# Altium PCB 4in1_ESC_8layer.PcbDoc (part 1 of 2) (continued)
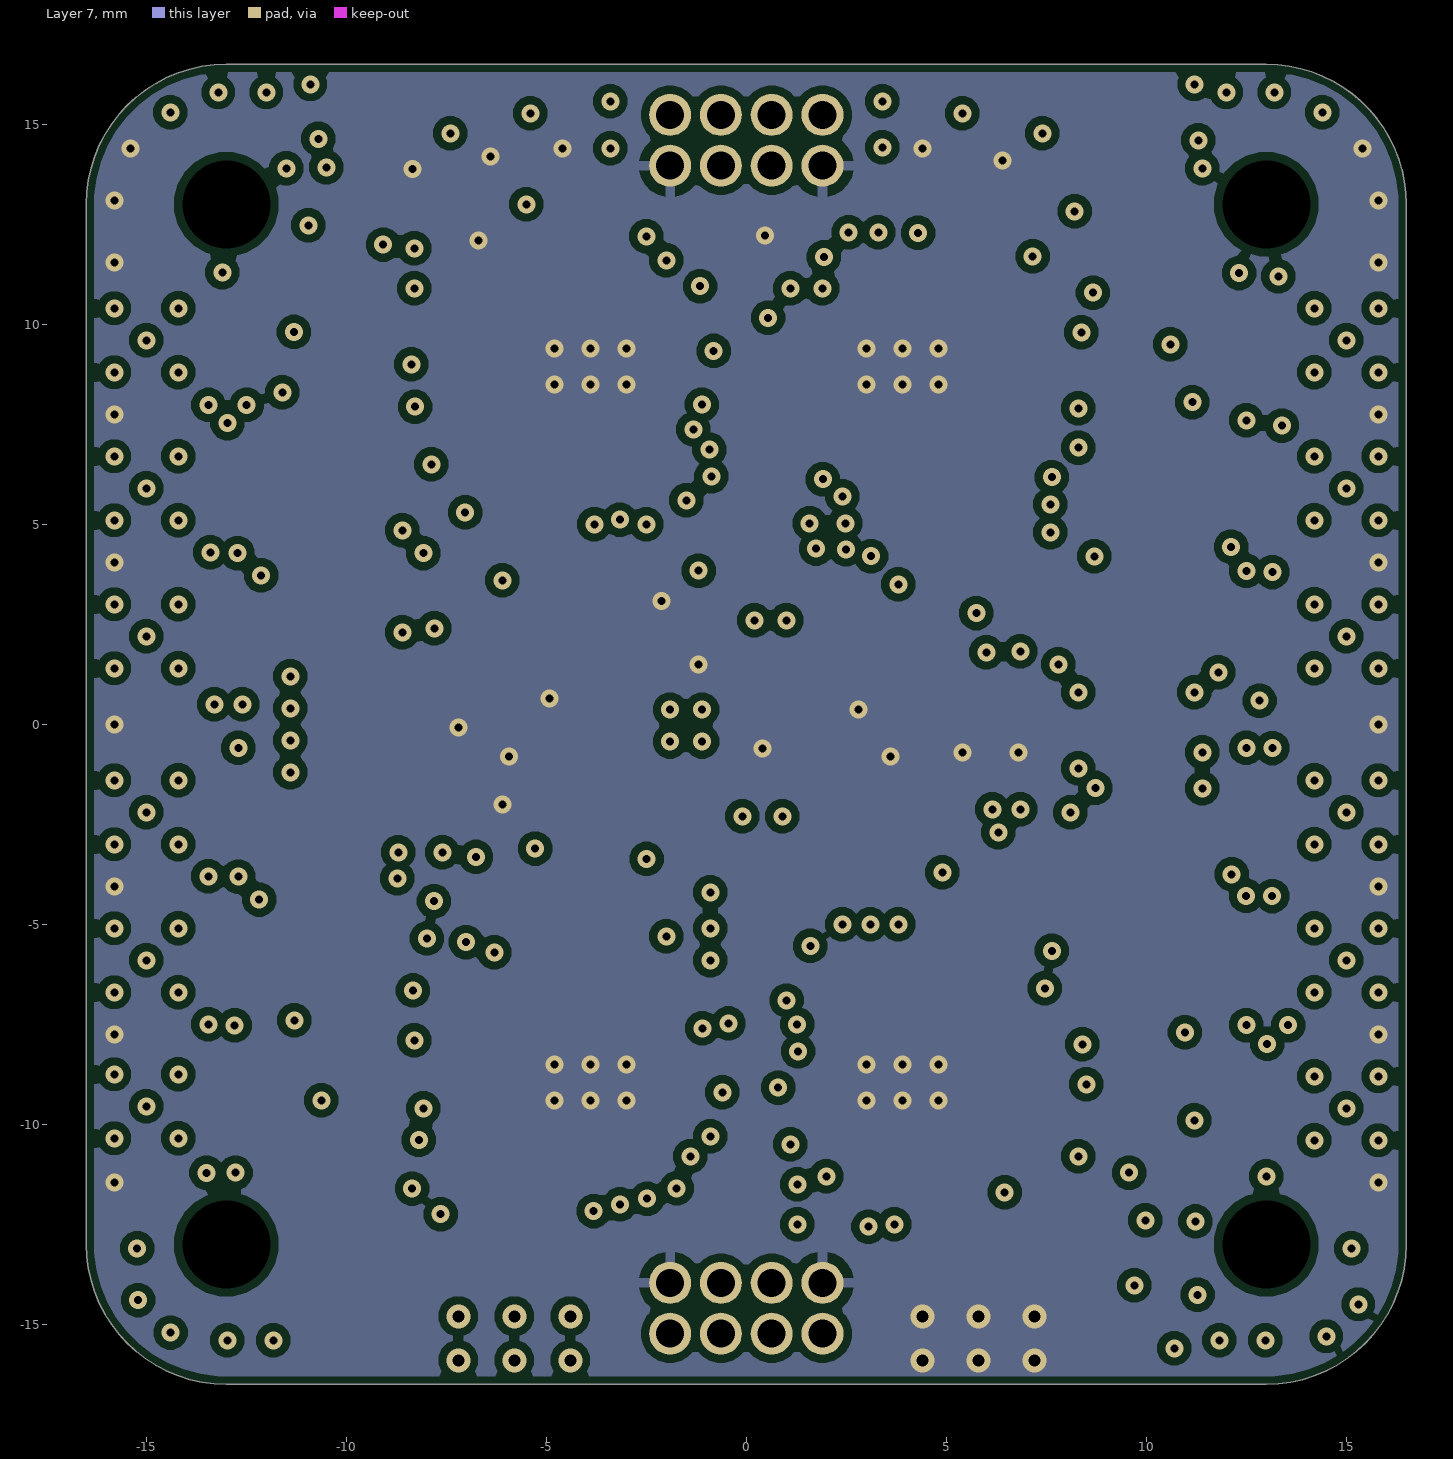
[diagram p7: Layer 7]
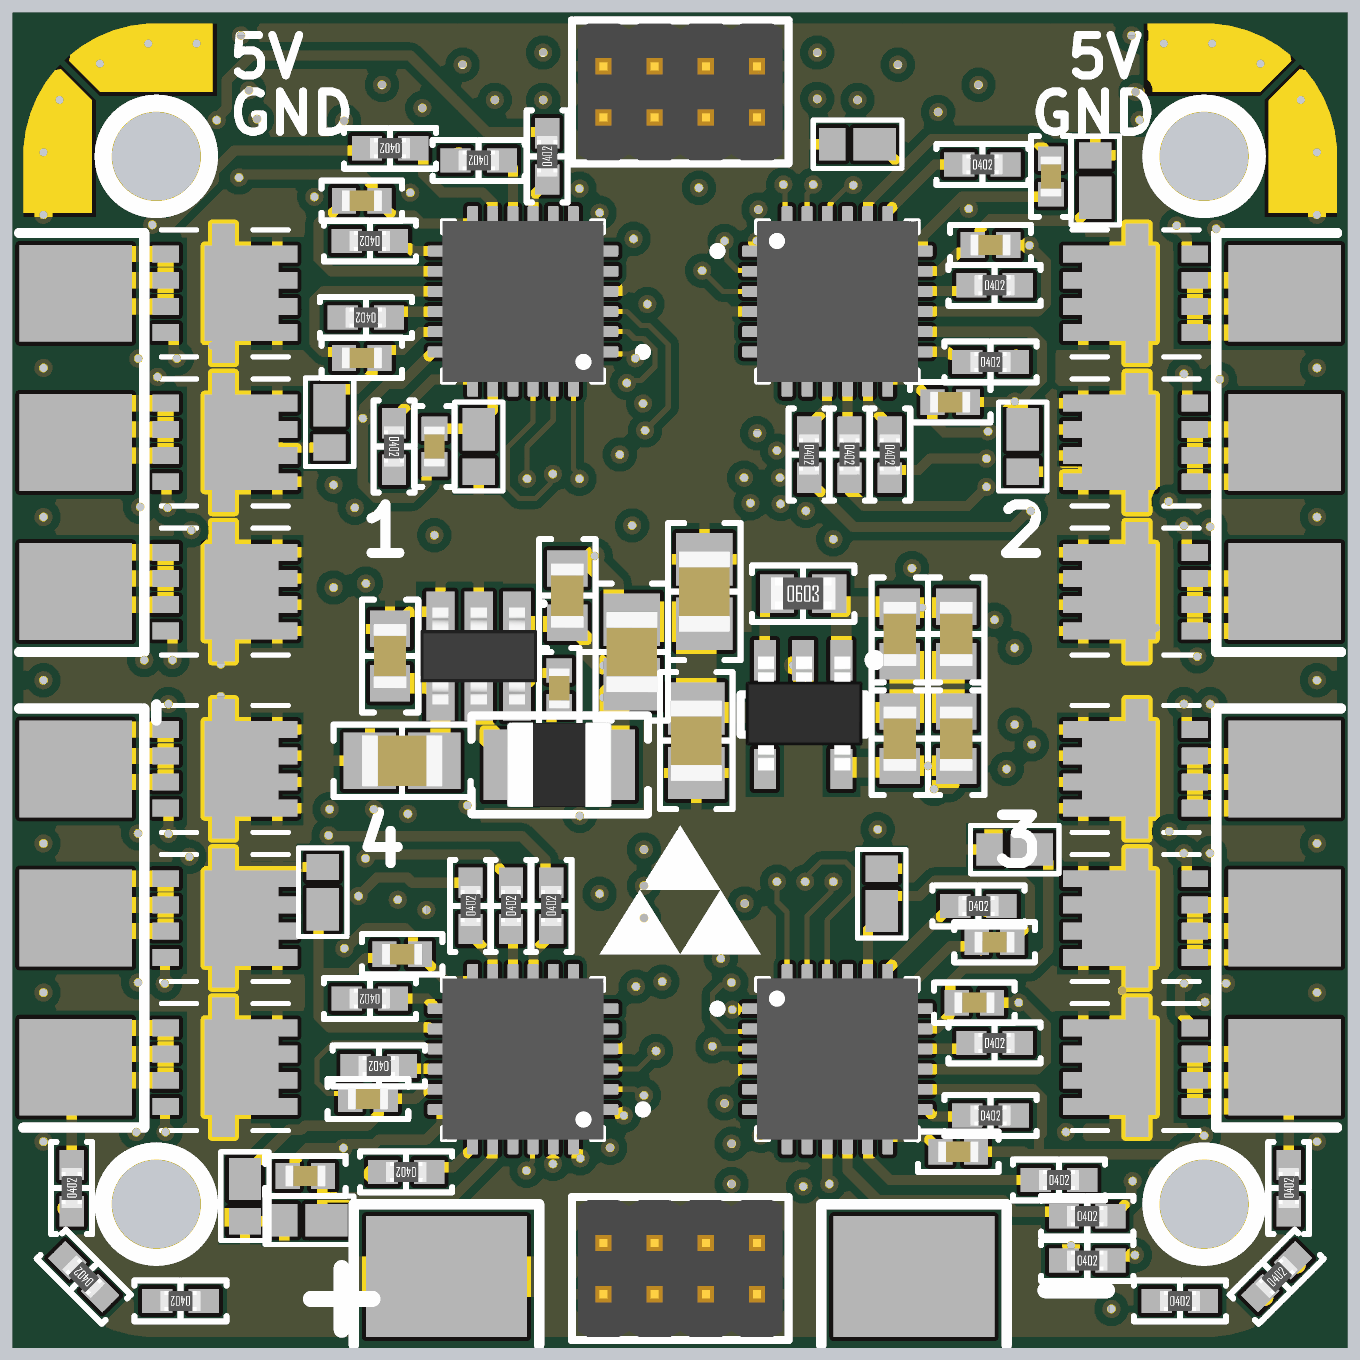
[diagram p9: 3D render of the assembled board from above, using the file's embedded part models]
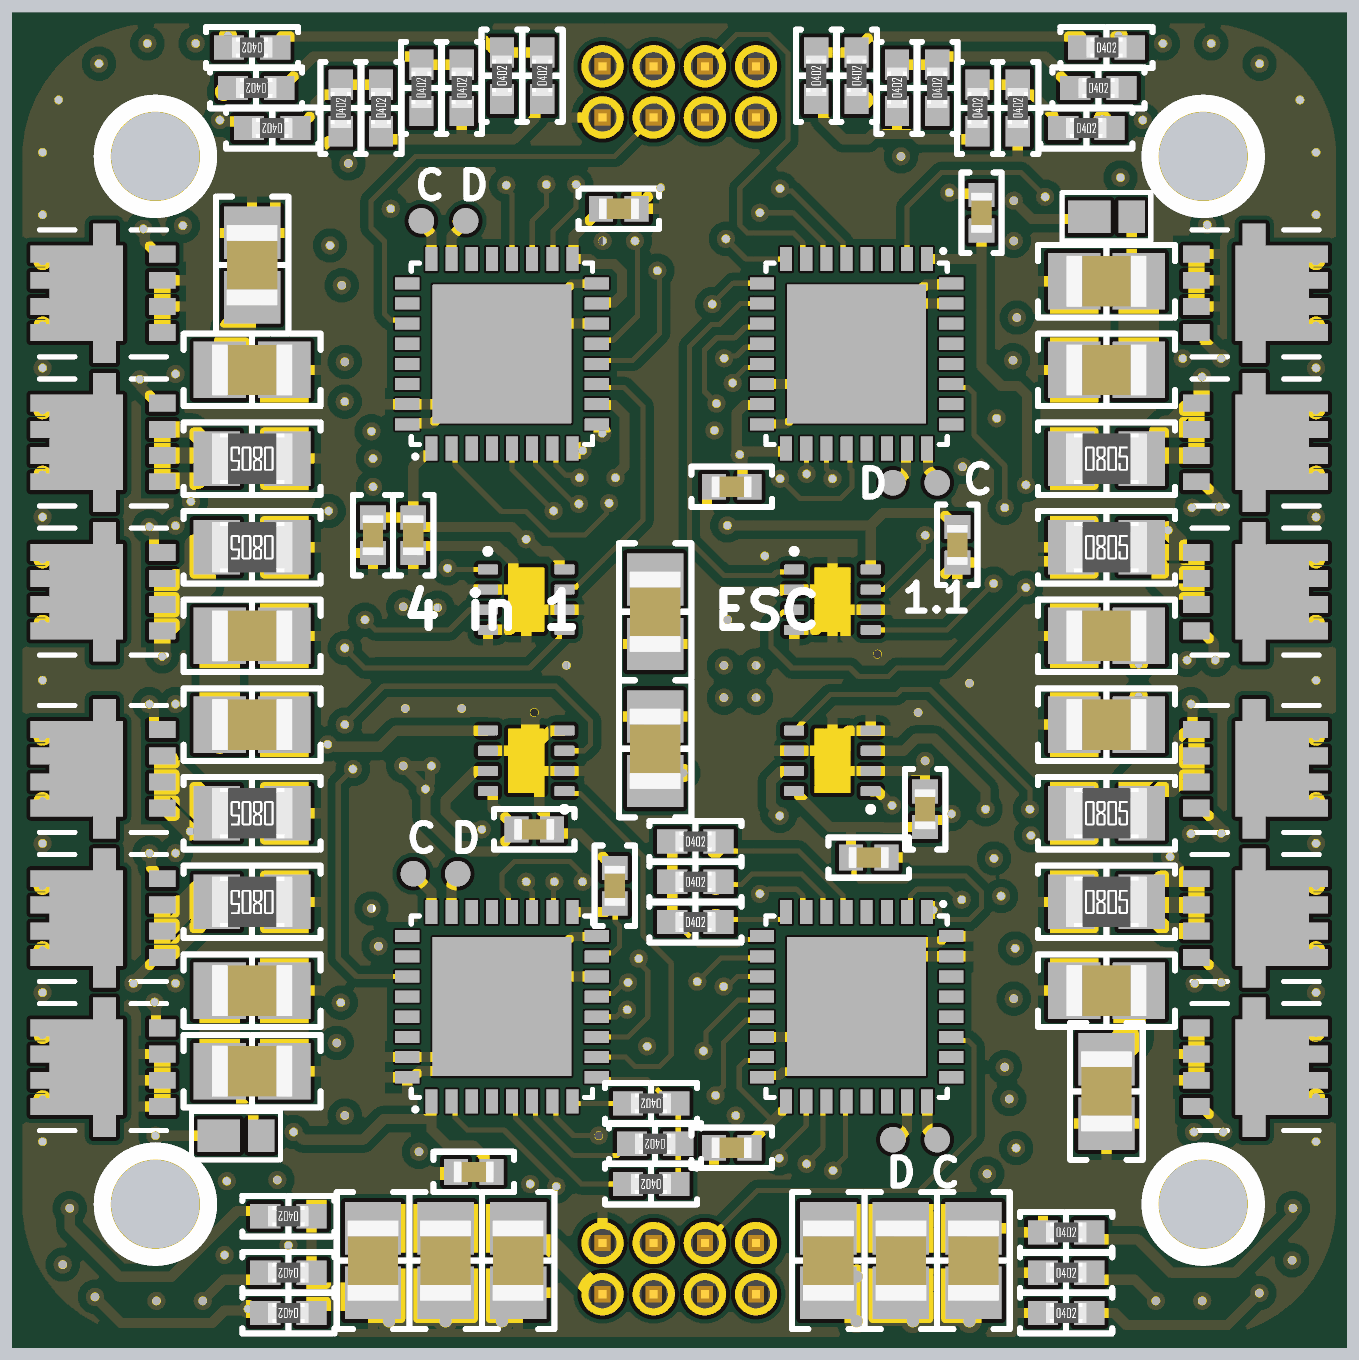
[diagram p10: 3D render of the assembled board from below, using the file's embedded part models]

## Layer stack, top to bottom
Top Solder: solder mask 0.0102, Solder Resist, Dk 3.5
Top Layer: signal copper 0.0356
Dielectric 4: prepreg 0.0711, PP-006, Dk 4.1
Layer 2: signal copper 0.035
Dielectric 2: prepreg 0.0711, PP-006, Dk 4.1
Layer 3: signal copper 0.035
Dielectric 6: prepreg 0.0711, PP-006, Dk 4.1
Layer 4: signal copper 0.035
Dielectric 1: dielectric 0.32, FR-4, Dk 4.8
Layer 5: signal copper 0.035
Dielectric 7: prepreg 0.0711, PP-006, Dk 4.1
Layer 6: signal copper 0.035
Dielectric 3: prepreg 0.0711, PP-006, Dk 4.1
Layer 7: signal copper 0.035
Dielectric 5: prepreg 0.0711, PP-006, Dk 4.1
Bottom Layer: signal copper 0.0356
Bottom Solder: solder mask 0.0102, Solder Resist, Dk 3.5

## Board outline
-16.5,-13 -16.5,13 cw(c-13,13) -13,16.5 13,16.5 cw(c13,13) 16.5,13 16.5,-13 cw(c13,-13) 13,-16.5 -13,-16.5 cw(c-13,-13)

## Design rules (kind name [scope] priority, off if disabled: settings)
BoardOutlineClearance [All] p1: gap=0.2 ignorepadtopadclearanceinfootprint=FALSE
Clearance "PolyGon Pour Clearance" [InPolyGon] p1: gap=0.2 ignorepadtopadclearanceinfootprint=FALSE
Clearance [All] p2: gap=0.2 ignorepadtopadclearanceinfootprint=TRUE except(0: Arc-Hole Track-Hole SMDPad-Hole THPad-Hole Via-Hole Fill-Hole Poly-Hole Region-Hole Text-Hole)
HoleSize [All] p1: absolutevalues=TRUE maxlimit=6.3 minlimit=0.2 maxpercent=80.000 minpercent=20.000
PolygonConnect PolygonRelief [IsPolygon and not (IsNamedPolygon('PolygonDirect'))] p1: thpad.connectstyle=Relief thpad.reliefconductorwidth=0.254 thpad.reliefentries=4 thpad.polygonreliefangle="90 Angle" thpad.airgapwidth=0.254 smdpad.connectstyle=Relief smdpad.reliefconductorwidth=0.254 smdpad.reliefentries=4 smdpad.polygonreliefangle="90 Angle" smdpad.airgapwidth=0.254 via.connectstyle=Direct via.reliefconductorwidth=0.254 via.reliefentries=4 via.polygonreliefangle="90 Angle" via.airgapwidth=0.254
PolygonConnect [All] p2: connectstyle=Direct reliefconductorwidth=0.254 reliefentries=4 polygonreliefangle="90 Angle" airgapwidth=0.254
RoutingVias [All] p1: holewidth=0.3 width=0.55 viastyle="Through Hole" minholewidth=0.2 minwidth=0.45 maxholewidth=0.7 maxwidth=1.27
SolderMaskExpansion [All] p1: expansion=0.102 istentingtop=FALSE
Width [All] p1: maxlimit=0.712 minlimit=0.127 preferedwidth=0.254
29 further rules are at their usual default settings.

## Classes and differential pairs
channel class CurrentSenseAmp: U_CurrentSenseAmp1 U_CurrentSenseAmp2 U_CurrentSenseAmp3 U_CurrentSenseAmp4
net class VSS_V_R[1..4]: VSS_V_R1 VSS_V_R2 VSS_V_R3 VSS_V_R4
net class VSS_U_R[1..4]: VSS_U_R1 VSS_U_R2 VSS_U_R3 VSS_U_R4
net class ISNS_V[1..4]: ISNS_V1 ISNS_V2 ISNS_V3 ISNS_V4
net class ISNS_U[1..4]: ISNS_U1 ISNS_U2 ISNS_U3 ISNS_U4
component class U_CurrentSenseAmp4: C32_4 U4_4
component class U_CurrentSenseAmp3: C32_3 U4_3
component class U_CurrentSenseAmp2: C32_2 U4_2
component class U_CurrentSenseAmp1: C32_1 U4_1
channel class Half_Bridge_Driver: "U_Half Bridge Driver_1" "U_Half Bridge Driver_2" "U_Half Bridge Driver_3" "U_Half Bridge Driver_4"
component class "U_Half Bridge Driver_4": C1_4 C2_4 C3_4 D1_4 D2_4 D3_4 R3_4 R13_4 R14_4 R15_4 R16_4 R17_4 U1_4
component class "U_Half Bridge Driver_3": C1_3 C2_3 C3_3 D1_3 D2_3 D3_3 R3_3 R13_3 R14_3 R15_3 R16_3 R17_3 U1_3
component class "U_Half Bridge Driver_1": C1_1 C2_1 C3_1 D1_1 D2_1 D3_1 R3_1 R13_1 R14_1 R15_1 R16_1 R17_1 U1_1
channel class MOSFETs: U_MOSFETs1 U_MOSFETs2 U_MOSFETs3 U_MOSFETs4
net class PWM_3N[1..4]: PWM_3N1 PWM_3N2 PWM_3N3 PWM_3N4
net class PWM_3P[1..4]: PWM_3P1 PWM_3P2 PWM_3P3 PWM_3P4
net class PWM_2N[1..4]: PWM_2N1 PWM_2N2 PWM_2N3 PWM_2N4
net class PWM_2P[1..4]: PWM_2P1 PWM_2P2 PWM_2P3 PWM_2P4
net class PWM_1N[1..4]: PWM_1N1 PWM_1N2 PWM_1N3 PWM_1N4
net class PWM_1P[1..4]: PWM_1P1 PWM_1P2 PWM_1P3 PWM_1P4
net class OUT_W[1..4]: OUT_W1 OUT_W2 OUT_W3 OUT_W4
net class OUT_V[1..4]: OUT_V1 OUT_V2 OUT_V3 OUT_V4
net class OUT_U[1..4]: OUT_U1 OUT_U2 OUT_U3 OUT_U4
net class GW_L[1..4]: GW_L1 GW_L2 GW_L3 GW_L4
net class GW_H[1..4]: GW_H1 GW_H2 GW_H3 GW_H4
net class GV_L[1..4]: GV_L1 GV_L2 GV_L3 GV_L4
net class GV_H[1..4]: GV_H1 GV_H2 GV_H3 GV_H4
net class GU_L[1..4]: GU_L1 GU_L2 GU_L3 GU_L4
net class GU_H[1..4]: GU_H1 GU_H2 GU_H3 GU_H4
component class "U_Half Bridge Driver_2": C1_2 C2_2 C3_2 D1_2 D2_2 D3_2 R3_2 R13_2 R14_2 R15_2 R16_2 R17_2 U1_2 U_2
net class RPM[1..4]: RPM1 RPM2 RPM3 RPM4
net class ESC[1..4]: ESC1 ESC2 ESC3 ESC4
net class SNS_X[1..4]: SNS_X1 SNS_X2 SNS_X3 SNS_X4
net class SNS_W[1..4]: SNS_W1 SNS_W2 SNS_W3 SNS_W4
net class SNS_V[1..4]: SNS_V1 SNS_V2 SNS_V3 SNS_V4
net class SNS_U[1..4]: SNS_U1 SNS_U2 SNS_U3 SNS_U4
component class U_MCUs: C16_1 C16_2 C16_3 C16_4 C17_1 C17_2 C17_3 C17_4 TP1_1 TP1_2 TP1_3 TP1_4 TP2_1 TP2_2 TP2_3 TP2_4 U3_1 U3_2 U3_3 U3_4
component class U_5V_buck: C10 C12 C13 C14 C15 L1 U2
component class U_3V3_LDO: C6 C7 C8 C9 R2 U1
component class U_MOSFETs4: Q1_4 Q2_4 Q3_4 Q4_4 Q5_4 Q6_4 R1_4 R4_4 R5_4 R6_4 R7_4 R8_4 R9_4 R10_4 R11_4 R12_4 R18_4
component class U_MOSFETs3: Q1_3 Q2_3 Q3_3 Q4_3 Q5_3 Q6_3 R1_3 R4_3 R5_3 R6_3 R7_3 R8_3 R9_3 R10_3 R11_3 R12_3 R18_3
component class U_MOSFETs2: Q1_2 Q2_2 Q3_2 Q4_2 Q5_2 Q6_2 R1_2 R4_2 R5_2 R6_2 R7_2 R8_2 R9_2 R10_2 R11_2 R12_2 R18_2
component class U_MOSFETs1: Q1_1 Q2_1 Q3_1 Q4_1 Q5_1 Q6_1 R1_1 R4_1 R5_1 R6_1 R7_1 R8_1 R9_1 R10_1 R11_1 R12_1 R18_1

## Components (designator, comment, footprint, x,y, rotation, side; value= is the part's Value field where it differs from the comment)
C1 "22 µF" "CAP 0805_2012" 0.6,2.2 r90 top
C1_1 "0.1 µF" "CAP 0402_1005" -7.9,11.9 r0 top (schematic designator C1)
C1_2 "0.1 µF" "CAP 0402_1005" 6.7,6.9 r180 top (schematic designator C1)
C1_3 "0.1 µF" "CAP 0402_1005" 6.9,-11.7 r180 top (schematic designator C1)
C1_4 "0.1 µF" "CAP 0402_1005" -6.9,-6.8 r0 top (schematic designator C1)
C2 "22 µF" "CAP 0805_2012" 10.6,7.7 r0 bottom
C2_1 "0.1 µF" "CAP 0402_1005" -7.9,8 r180 top (schematic designator C2)
C2_2 "0.1 µF" "CAP 0402_1005" 7.7,10.8 r0 top (schematic designator C2)
C2_3 "0.1 µF" "CAP 0402_1005" 7.3,-8 r0 top (schematic designator C2)
C2_4 "0.1 µF" "CAP 0402_1005" -7.748,-10.391 r180 top (schematic designator C2)
C3 "22 µF" "CAP 0805_2012" -10.6,9.9 r180 bottom
C3_1 "0.1 µF" "CAP 0402_1005" -6.1,5.8 r270 top (schematic designator C3)
C3_2 "0.1 µF" "CAP 0402_1005" 9.2,12.5 r270 top (schematic designator C3)
C3_3 "0.1 µF" "CAP 0402_1005" 7.8,-6.5 r180 top (schematic designator C3)
C3_4 "0.1 µF" "CAP 0402_1005" -9.3,-12.3 r180 top (schematic designator C3)
C4 "22 µF" "CAP 0805_2012" -10.6,1.1 r180 bottom
C5 "22 µF" "CAP 0805_2012" -7.3,-14.4 r270 bottom
C6 "1µF" "CAP 0603_1608" 5.45,1.15 r90 top
C7 "0.1µF" "CAP 0603_1608" 6.85,1.15 r270 top
C8 "0.1µF" "CAP 0603_1608" 6.85,-1.45 r90 top
C9 "1µF" "CAP 0603_1608" 5.45,-1.45 r270 top
C10 "1 µF" "CAP 0402_1005" -3,-0.2 r90 top
C11 "22 µF" "CAP 0805_2012" -10.6,7.7 r180 bottom
C12 "1µF" "CAP 0603_1608" -2.8,2.1 r270 top
C13 "22µF" "CAP 0805_2012" -1.2,0.7 r270 top
C14 "22µF" "CAP 0805_2012" -6.9,-2 r180 top
C15 "0.1µF" "CAP 0603_1608" -7.2,0.6 r270 top
C16 "22 µF" "CAP 0805_2012" 0.6,1.7 r90 bottom
C16_1 "0.1 µF" "CAP 0402_1005" -7.5,11.6 r270 bottom
C16_2 "0.1 µF" "CAP 0402_1005" 7.6,3.6 r90 bottom
C16_3 "0.1 µF" "CAP 0402_1005" 5.1,-12.2 r180 bottom
C16_4 "0.1 µF" "CAP 0402_1005" -1.3,-11.6 r180 bottom
C17 "22 µF" "CAP 0805_2012" 0.6,-1.7 r270 bottom
C17_1 "0.1 µF" "CAP 0402_1005" -1.3,4.8 r180 bottom
C17_2 "0.1 µF" "CAP 0402_1005" 1.5,11.7 r0 bottom
C17_3 "0.1 µF" "CAP 0402_1005" 1.6,-5.1 r270 bottom
C17_4 "0.1 µF" "CAP 0402_1005" -4.7,-4.4 r0 bottom
C18 "22 µF" "CAP 0805_2012" -3.7,-14.4 r270 bottom
C19 "22 µF" "CAP 0805_2012" -10.6,-1.1 r180 bottom
C20 "22 µF" "CAP 0805_2012" 10.6,10.3 r270 bottom
C21 "22 µF" "CAP 0805_2012" -5.5,-14.4 r270 bottom
C22 "22 µF" "CAP 0805_2012" 0.4,-1.5 r270 top
C23 "22 µF" "CAP 0805_2012" 7.6,-14.4 r90 bottom
C24 "22 µF" "CAP 0805_2012" 10.6,1.1 r0 bottom
C25 "22 µF" "CAP 0805_2012" 5.8,-14.4 r90 bottom
C26 "22 µF" "CAP 0805_2012" 4,-14.4 r90 bottom
C27 "22 µF" "CAP 0805_2012" 10.6,-7.7 r0 bottom
C28 "22 µF" "CAP 0805_2012" 10.6,-9.7 r0 bottom
C29 "22 µF" "CAP 0805_2012" -10.6,-7.7 r180 bottom
C30 "22 µF" "CAP 0805_2012" 10.6,-1.1 r0 bottom
C31 "22 µF" "CAP 0805_2012" -10.6,-10.2 r90 bottom
C32_1 "0.1 µF" "CAP 0402_1005" -6.9,3.36 r270 bottom (schematic designator C32)
C32_2 "0.1 µF" "CAP 0402_1005" 6.6,3.6 r270 bottom (schematic designator C32)
C32_3 "0.1 µF" "CAP 0402_1005" 3.6,-3.7 r180 bottom (schematic designator C32)
C32_4 "0.1 µF" "CAP 0402_1005" -6.1,-3.2 r90 bottom (schematic designator C32)
D1_1 "Diode" "Diode DFN1608D-2 (SOD1608)" -5,5.8 r270 top (schematic designator D1)
D1_2 "Diode" "Diode DFN1608D-2 (SOD1608)" 4.4,13.3 r180 top (schematic designator D1)
D1_3 "Diode" "Diode DFN1608D-2 (SOD1608)" 5,-5.3 r90 top (schematic designator D1)
D1_4 "Diode" "Diode DFN1608D-2 (SOD1608)" -9.2,-13.4 r180 top (schematic designator D1)
D2_1 "Diode" "Diode DFN1608D-2 (SOD1608)" -8.7,6.4 r270 top (schematic designator D2)
D2_2 "Diode" "Diode DFN1608D-2 (SOD1608)" 10.3,12.4 r90 top (schematic designator D2)
D2_3 "Diode" "Diode DFN1608D-2 (SOD1608)" 8.3,-4.2 r180 top (schematic designator D2)
D2_4 "Diode" "Diode DFN1608D-2 (SOD1608)" -10.8,-12.8 r270 top (schematic designator D2)
D3_1 "Diode" "Diode DFN1608D-2 (SOD1608)" -10.6,11.5 r180 bottom (schematic designator D3)
D3_2 "Diode" "Diode DFN1608D-2 (SOD1608)" 8.5,5.8 r270 top (schematic designator D3)
D3_3 "Diode" "Diode DFN1608D-2 (SOD1608)" 11,-11.3 r180 bottom (schematic designator D3)
D3_4 "Diode" "Diode DFN1608D-2 (SOD1608)" -8.869,-5.26 r90 top (schematic designator D3)
J1 "62200821121" 62200821121 0,14.6 r0 top
J2 "62200821121" 62200821121 0,-14.6 r180 top
L1 "4.7µH" "IND 1008_2520" -3,-2.1 r0 top
Q1_1 "NVTFS5C680NL" NVTFS015N04CTAG -11.3,2.2 r0 top (schematic designator Q1)
Q1_2 "NVTFS5C680NL" NVTFS015N04CTAG 11.3,2.2 r180 top (schematic designator Q1)
Q1_3 "NVTFS5C680NL" NVTFS015N04CTAG 11.3,-2.2 r180 top (schematic designator Q1)
Q1_4 "NVTFS5C680NL" NVTFS015N04CTAG -11.3,-2.2 r0 top (schematic designator Q1)
Q2_1 "NVTFS5C680NL" NVTFS015N04CTAG -11.3,5.9 r0 top (schematic designator Q2)
Q2_2 "NVTFS5C680NL" NVTFS015N04CTAG 11.3,5.9 r180 top (schematic designator Q2)
Q2_3 "NVTFS5C680NL" NVTFS015N04CTAG 11.3,-5.9 r180 top (schematic designator Q2)
Q2_4 "NVTFS5C680NL" NVTFS015N04CTAG -11.3,-5.9 r0 top (schematic designator Q2)
Q3_1 "NVTFS5C680NL" NVTFS015N04CTAG -11.3,9.6 r0 top (schematic designator Q3)
Q3_2 "NVTFS5C680NL" NVTFS015N04CTAG 11.3,9.6 r180 top (schematic designator Q3)
Q3_3 "NVTFS5C680NL" NVTFS015N04CTAG 11.3,-9.6 r180 top (schematic designator Q3)
Q3_4 "NVTFS5C680NL" NVTFS015N04CTAG -11.3,-9.6 r0 top (schematic designator Q3)
Q4_1 "NVTFS5C680NL" NVTFS015N04CTAG -14.3,2.2 r180 bottom (schematic designator Q4)
Q4_2 "NVTFS5C680NL" NVTFS015N04CTAG 14.3,2.2 r0 bottom (schematic designator Q4)
Q4_3 "NVTFS5C680NL" NVTFS015N04CTAG 14.3,-2.2 r0 bottom (schematic designator Q4)
Q4_4 "NVTFS5C680NL" NVTFS015N04CTAG -14.3,-2.2 r180 bottom (schematic designator Q4)
Q5_1 "NVTFS5C680NL" NVTFS015N04CTAG -14.3,5.9 r180 bottom (schematic designator Q5)
Q5_2 "NVTFS5C680NL" NVTFS015N04CTAG 14.3,5.9 r0 bottom (schematic designator Q5)
Q5_3 "NVTFS5C680NL" NVTFS015N04CTAG 14.3,-5.9 r0 bottom (schematic designator Q5)
Q5_4 "NVTFS5C680NL" NVTFS015N04CTAG -14.3,-5.9 r180 bottom (schematic designator Q5)
Q6_1 "NVTFS5C680NL" NVTFS015N04CTAG -14.3,9.6 r180 bottom (schematic designator Q6)
Q6_2 "NVTFS5C680NL" NVTFS015N04CTAG 14.3,9.6 r0 bottom (schematic designator Q6)
Q6_3 "NVTFS5C680NL" NVTFS015N04CTAG 14.3,-9.6 r0 bottom (schematic designator Q6)
Q6_4 "NVTFS5C680NL" NVTFS015N04CTAG -14.3,-9.6 r180 bottom (schematic designator Q6)
R1_1 "20 kOhms" "RES 0805_2012" -10.6,3.3 r180 bottom (schematic designator R1)
R1_2 "20 kOhms" "RES 0805_2012" 10.6,3.3 r0 bottom (schematic designator R1)
R1_3 "20 kOhms" "RES 0805_2012" 10.6,-3.3 r0 bottom (schematic designator R1)
R1_4 "20 kOhms" "RES 0805_2012" -10.6,-3.3 r180 bottom (schematic designator R1)
R2 "10 kOhms" "RES 0603_1608" 3.05,2.15 r0 top
R3_1 "1 Ohm" "RES 0402_1005" -7.1,5.8 r270 top (schematic designator R3)
R3_2 "1 Ohm" "RES 0402_1005" 7.5,12.8 r0 top (schematic designator R3)
R3_3 "1 Ohm" "RES 0402_1005" 7.4,-5.6 r0 top (schematic designator R3)
R3_4 "1 Ohm" "RES 0402_1005" -6.8,-12.2 r180 top (schematic designator R3)
R4_1 "40 kOhms" "RES 0402_1005" -7.4,14.2 r90 bottom (schematic designator R4)
R4_2 "40 kOhms" "RES 0402_1005" 7.4,14.2 r90 bottom (schematic designator R4)
R4_3 "40 kOhms" "RES 0402_1005" 0.7,-12.5 r0 bottom (schematic designator R4)
R4_4 "40 kOhms" "RES 0402_1005" -0.4,-4 r180 bottom (schematic designator R4)
R5_1 "40 kOhms" "RES 0402_1005" -10.1,13.7 r180 bottom (schematic designator R5)
R5_2 "40 kOhms" "RES 0402_1005" 10.1,13.7 r0 bottom (schematic designator R5)
R5_3 "40 kOhms" "RES 0402_1005" 12.4,-15.4 r0 top (schematic designator R5)
R5_4 "40 kOhms" "RES 0402_1005" -12.4,-15.4 r180 top (schematic designator R5)
R6_1 "40 kOhms" "RES 0402_1005" -5.4,14.7 r90 bottom (schematic designator R6)
R6_2 "40 kOhms" "RES 0402_1005" 5.4,14.7 r90 bottom (schematic designator R6)
R6_3 "40 kOhms" "RES 0402_1005" 0.6,-11.5 r0 bottom (schematic designator R6)
R6_4 "40 kOhms" "RES 0402_1005" -0.4,-5 r180 bottom (schematic designator R6)
R7_1 "40 kOhms" "RES 0402_1005" -10.4,14.7 r180 bottom (schematic designator R7)
R7_2 "40 kOhms" "RES 0402_1005" 10.5,14.7 r0 bottom (schematic designator R7)
R7_3 "40 kOhms" "RES 0402_1005" 14.8,-14.8 r45 top (schematic designator R7)
R7_4 "40 kOhms" "RES 0402_1005" -14.8,-14.8 r135 top (schematic designator R7)
R8_1 "40 kOhms" "RES 0402_1005" -3.4,15 r90 bottom (schematic designator R8)
R8_2 "40 kOhms" "RES 0402_1005" 3.4,15 r90 bottom (schematic designator R8)
R8_3 "40 kOhms" "RES 0402_1005" 0.7,-10.5 r0 bottom (schematic designator R8)
R8_4 "40 kOhms" "RES 0402_1005" -0.4,-6 r180 bottom (schematic designator R8)
R9_1 "40 kOhms" "RES 0402_1005" -10.6,15.7 r180 bottom (schematic designator R9)
R9_2 "40 kOhms" "RES 0402_1005" 10.6,15.7 r0 bottom (schematic designator R9)
R9_3 "40 kOhms" "RES 0402_1005" 15.1,-12.6 r90 top (schematic designator R9)
R9_4 "40 kOhms" "RES 0402_1005" -15.1,-12.6 r90 top (schematic designator R9)
R10_1 "10 kOhms" "RES 0402_1005" -8.4,14.2 r90 bottom (schematic designator R10)
R10_2 "10 kOhms" "RES 0402_1005" 8.4,14.2 r90 bottom (schematic designator R10)
R10_3 "10 kOhms" "RES 0402_1005" 9.7,-14.7 r0 bottom (schematic designator R10)
R10_4 "10 kOhms" "RES 0402_1005" -9.6,-14.7 r180 bottom (schematic designator R10)
R11_1 "10 kOhms" "RES 0402_1005" -6.4,14.7 r90 bottom (schematic designator R11)
R11_2 "10 kOhms" "RES 0402_1005" 6.4,14.7 r90 bottom (schematic designator R11)
R11_3 "10 kOhms" "RES 0402_1005" 9.7,-15.7 r0 bottom (schematic designator R11)
R11_4 "10 kOhms" "RES 0402_1005" -9.6,-15.7 r180 bottom (schematic designator R11)
R12_1 "10 kOhms" "RES 0402_1005" -4.4,15 r90 bottom (schematic designator R12)
R12_2 "10 kOhms" "RES 0402_1005" 4.4,15 r90 bottom (schematic designator R12)
R12_3 "10 kOhms" "RES 0402_1005" 9.7,-13.3 r0 bottom (schematic designator R12)
R12_4 "10 kOhms" "RES 0402_1005" -9.6,-13.7 r180 bottom (schematic designator R12)
R13_1 "1 Ohm" "RES 0402_1005" -7.2,13.2 r180 top (schematic designator R13)
R13_2 "1 Ohm" "RES 0402_1005" 5.2,5.6 r270 top (schematic designator R13)
R13_3 "1 Ohm" "RES 0402_1005" 9.4,-12.4 r0 top (schematic designator R13)
R13_4 "1 Ohm" "RES 0402_1005" -5.2,-5.6 r90 top (schematic designator R13)
R14_1 "1 Ohm" "RES 0402_1005" -7.8,9 r180 top (schematic designator R14)
R14_2 "1 Ohm" "RES 0402_1005" 7.8,9.8 r0 top (schematic designator R14)
R14_3 "1 Ohm" "RES 0402_1005" 7.8,-9 r0 top (schematic designator R14)
R14_4 "1 Ohm" "RES 0402_1005" -7.48,-9.57 r180 top (schematic designator R14)
R15_1 "1 Ohm" "RES 0402_1005" -5,12.9 r180 top (schematic designator R15)
R15_2 "1 Ohm" "RES 0402_1005" 4.2,5.6 r270 top (schematic designator R15)
R15_3 "1 Ohm" "RES 0402_1005" 10.1,-13.3 r0 top (schematic designator R15)
R15_4 "1 Ohm" "RES 0402_1005" -4.2,-5.6 r90 top (schematic designator R15)
R16_1 "1 Ohm" "RES 0402_1005" -7.7,10.9 r180 top (schematic designator R16)
R16_2 "1 Ohm" "RES 0402_1005" 7.7,7.9 r0 top (schematic designator R16)
R16_3 "1 Ohm" "RES 0402_1005" 7.7,-10.8 r0 top (schematic designator R16)
R16_4 "1 Ohm" "RES 0402_1005" -7.7,-7.9 r180 top (schematic designator R16)
R17_1 "1 Ohm" "RES 0402_1005" -3.3,13 r90 top (schematic designator R17)
R17_2 "1 Ohm" "RES 0402_1005" 3.2,5.6 r270 top (schematic designator R17)
R17_3 "1 Ohm" "RES 0402_1005" 10.1,-14.4 r0 top (schematic designator R17)
R17_4 "1 Ohm" "RES 0402_1005" -3.2,-5.6 r90 top (schematic designator R17)
R18_1 "20 kOhms" "RES 0805_2012" -10.6,5.5 r180 bottom (schematic designator R18)
R18_2 "20 kOhms" "RES 0805_2012" 10.6,5.5 r0 bottom (schematic designator R18)
R18_3 "20 kOhms" "RES 0805_2012" 10.6,-5.5 r0 bottom (schematic designator R18)
R18_4 "20 kOhms" "RES 0805_2012" -10.6,-5.5 r180 bottom (schematic designator R18)
TP1_1 "0.635mm" "TP  0.635mm" -5.3,4.9 r90 bottom
TP1_2 "0.635mm" "TP  0.635mm" 5.3,11.4 r270 bottom
TP1_3 "0.635mm" "TP  0.635mm" 5.5,-4.8 r90 bottom
TP1_4 "0.635mm" "TP  0.635mm" -5.3,-11.4 r0 bottom
TP2_1 "0.635mm" "TP  0.635mm" -6.4,4.9 r90 bottom
TP2_2 "0.635mm" "TP  0.635mm" 6.4,11.4 r270 bottom
TP2_3 "0.635mm" "TP  0.635mm" 6.6,-4.8 r90 bottom
TP2_4 "0.635mm" "TP  0.635mm" -6.4,-11.4 r0 bottom
U1 "MIC5504" "TI SOT-23-5 DBV" 3.05,-0.85 r270 top
U1_1 "FD6288Q" QFN50P400X400X100-25N -3.9,9.4 r180 top (schematic designator U1)
U1_2 "FD6288Q" QFN50P400X400X100-25N 3.9,9.4 r0 top (schematic designator U1)
U1_3 "FD6288Q" QFN50P400X400X100-25N 3.9,-9.4 r0 top (schematic designator U1)
U1_4 "FD6288Q" QFN50P400X400X100-25N -3.9,-9.4 r180 top (schematic designator U1)
U2 "5V Buck" "TSOT-26-6 - 3.2mm" -5,0.6 r0 top
U3_1 "STM32G431KBU3" QFN50P400X400X60-32N -4.4,8.1 r270 bottom
U3_2 "STM32G431KBU3" QFN50P400X400X60-32N 4.4,8.1 r90 bottom
U3_3 "STM32G431KBU3" QFN50P400X400X60-32N 4.4,-8.1 r90 bottom
U3_4 "STM32G431KBU3" QFN50P400X400X60-32N -4.4,-8.1 r270 bottom
U4_1 "INA2180" WSON-8_2x2 -3.8,2 r180 bottom (schematic designator U4)
U4_2 "INA2180" WSON-8_2x2 3.8,2 r180 bottom (schematic designator U4)
U4_3 "INA2180" WSON-8_2x2 3.8,-2 r0 bottom (schematic designator U4)
U4_4 "INA2180" WSON-8_2x2 -3.8,-2 r0 bottom (schematic designator U4)
